# KiCad board Video Board - Signals.kicad_pcb (continued)
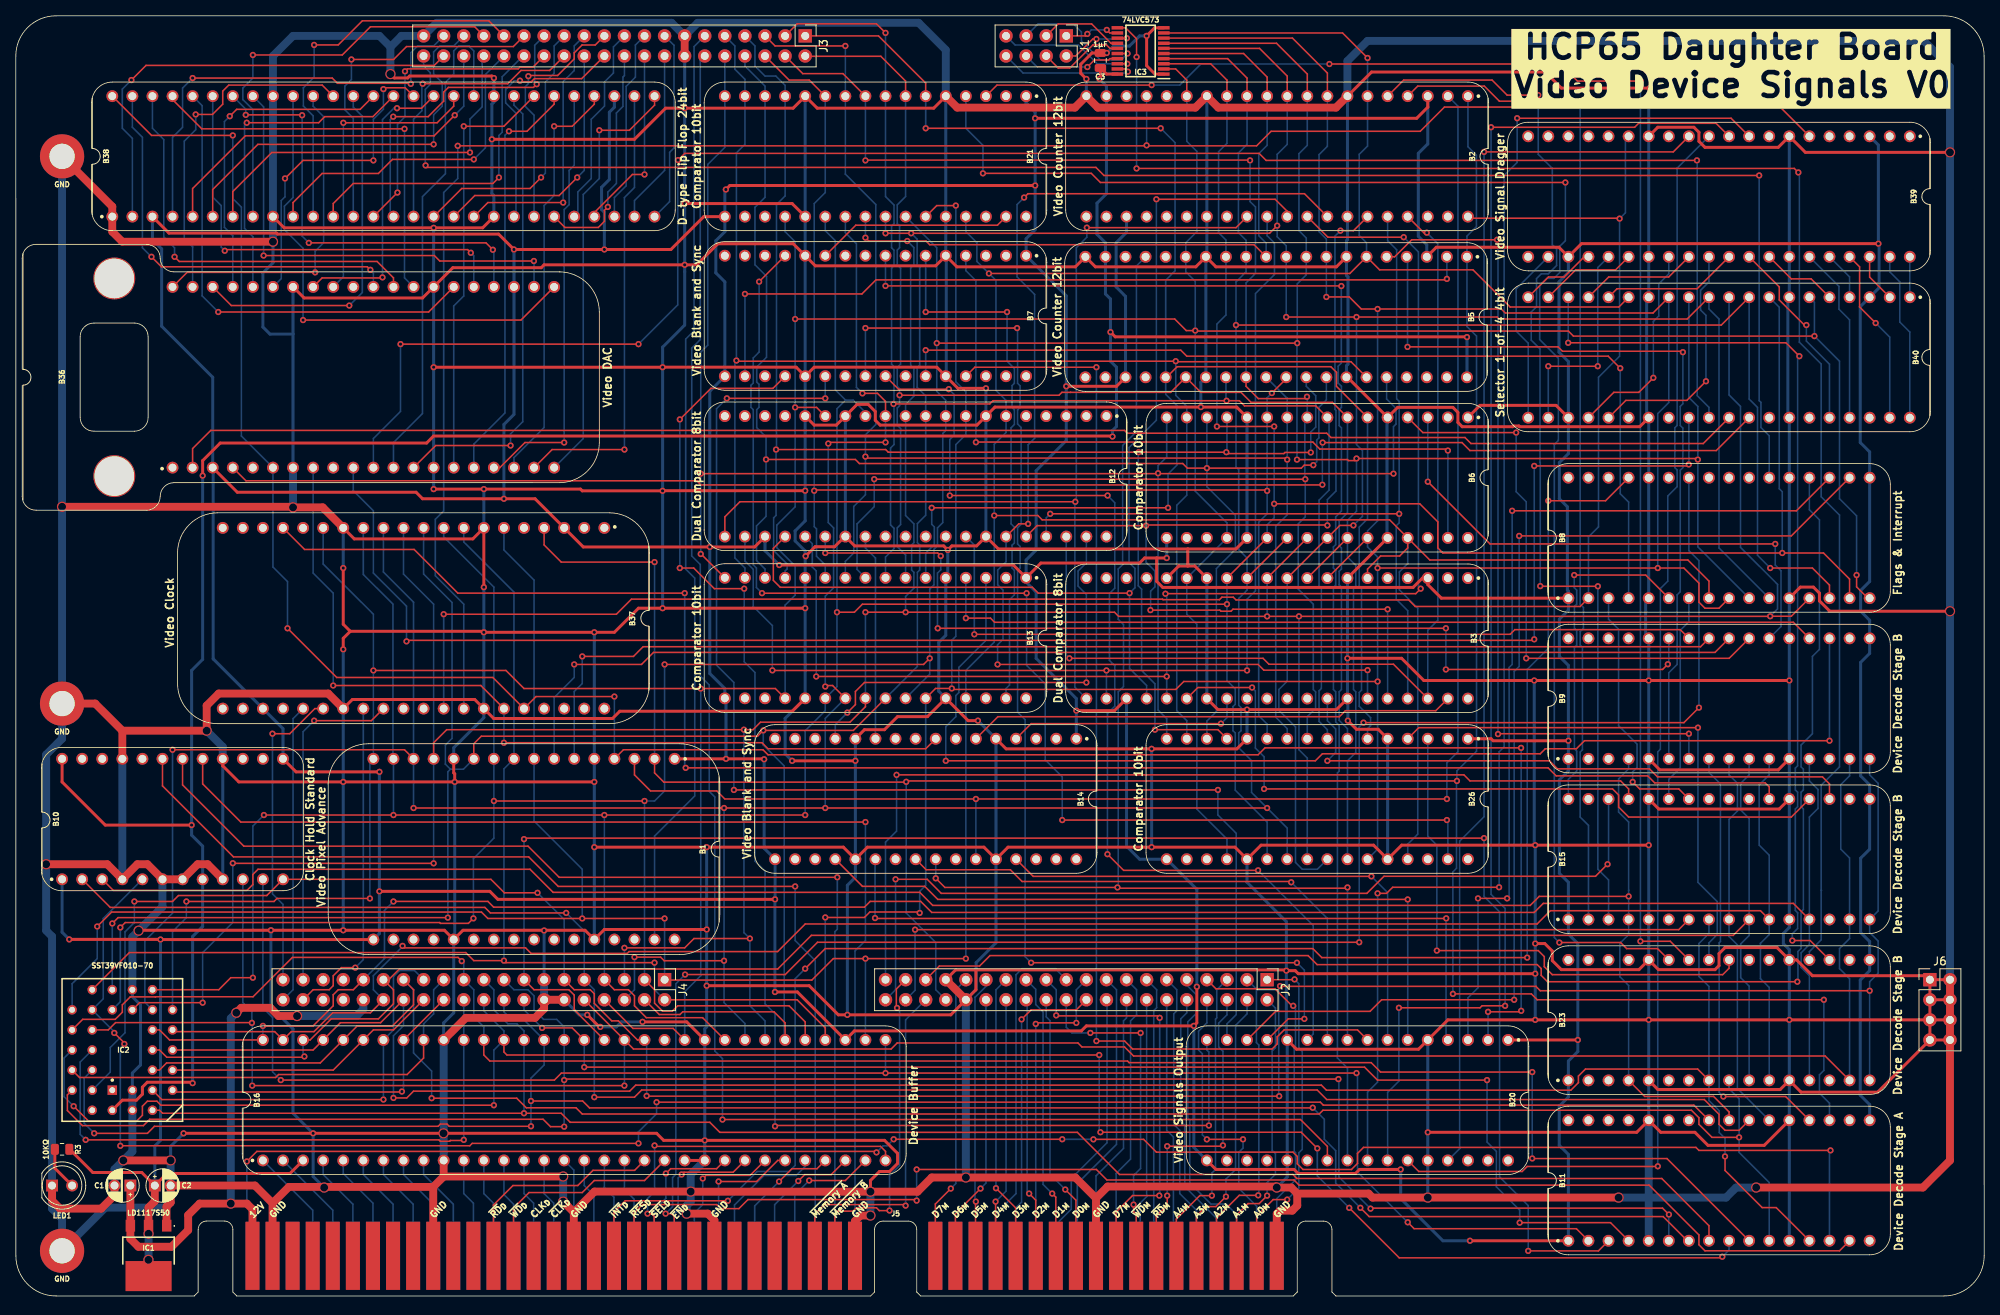
[diagram p0: board, top side]
## Routing (per net, layer and track width the routed paths; a pad name or vN(x,y) marks a point on that pad's centre or on a via; arc(x,y) is an arc through that point) (continued)
/Pixel CLK_{0}: length 293.4
  Top w0.2: v1(34.36,84.46) 40.58,78.23 60.33,78.23 B37.36 65.79,75.82 v1(75.7,75.82) ; v1(190.37,69.33) 157.98,69.33 157.11,68.45 95.13,68.45 94.5,69.09 76.84,69.09 B1.4 ; v1(27.44,146.8) 17.17,146.8 B38.56 ; v1(186.19,35.94) 190.25,35.94 v1(190.38,36.07)
  Bottom w0.2: v1(190.37,69.33) 190.38,69.32 v1(190.38,36.07) ; B1.4 v1(75.7,75.82) ; B20.2 v1(186.19,35.94) ; v1(27.44,146.8) 27.44,138.81 28.53,137.72 28.53,108.77 B36.6 32.52,92.2 34.36,90.36 v1(34.36,84.46)
/Pixel CLK_{1}: length 254.6
  Top w0.2: v1(55.89,145.48) 156.92,145.48 158.76,147.32 177.62,147.32 180.68,150.38 223.13,150.38 B39.6
  Bottom w0.2: v1(55.89,145.48) 55.89,141.35 54.11,139.57 54.11,99.29 53.06,98.24 53.06,91.1 56.65,87.5 B37.33 ; v1(143.01,145.54) B2.17
/Pixel CLK_{2}: length 42.7
  Top w0.2: v1(37.73,72.77) 44.97,72.77 B37.29
  Bottom w0.2: J4.37 36.33,71.37 v1(37.73,72.77)
/Pixel CLK_{3}: length 39.4
  Top w0.2: v1(32.46,71.12) 34.64,71.12 37.82,74.3 B37.26
  Bottom w0.2: v1(32.46,71.12) 32.46,50.86 33.79,49.53 J4.39
/PL0: length 17.9
  Top w0.2: v1(140.64,154.86) 140.29,155.21 IC3.19
  Bottom w0.2: J1.8 127.39,154.69 140.47,154.69 v1(140.64,154.86)
/PL1: length 18.1
  Top w0.2: IC3.18 v1(140.57,155.86)
  Bottom w0.2: J1.7 126.38,158.24 134.38,158.24 136.76,155.86 v1(140.57,155.86)
/PL2: length 12.6
  Top w0.2: IC3.17 138.37,156.51 138.2,156.34 136.41,156.34 v1(135.52,155.45)
  Bottom w0.2: J1.6 129.17,155.45 v1(135.52,155.45)
/PL3: length 17.6
  Top w0.2: IC3.16 v1(140.6,157.16)
  Bottom w0.2: J1.5 129.29,160.91 133.74,160.91 134.77,159.88 134.77,158.74 137.17,156.34 139.78,156.34 v1(140.6,157.16)
/PL4: length 11
  Top w0.2: IC3.15 138.37,157.81 137.94,158.24 136.22,158.24 133.29,155.32 131.83,155.32 J1.4
/PL5: length 10.6
  Top w0.2: J1.3 131.82,160.9 136.06,160.9 138.5,158.46 IC3.14
/PL6: length 9.8
  Top w0.2: v1(140.51,159.09) 140.5,159.11 IC3.13 ; v1(136.66,158.99) 136.2,158.99 134.05,156.85 J1.2
  Bottom w0.2: v1(140.51,159.09) 140.41,158.99 v1(136.66,158.99)
/PL7: length 6.9
  Top w0.2: J1.1 135.26,159.39 v1(135.52,159.64) ; IC3.12 138.36,159.76 v1(137.97,160.14)
  Bottom w0.2: v1(137.97,160.14) 136.02,160.14 v1(135.52,159.64)
/Read Address Bank: length 107.8
  Top w0.2: v1(113.73,46.33) 210.3,46.33 B15.7
  Bottom w0.2: v1(113.73,46.33) 113.73,38.66 J2.38
/Read Address High: length 121.1
  Top w0.2: v1(111.39,65.91) 183.14,65.91 183.9,65.15 202.95,65.15 203.97,64.14 B15.29
  Bottom w0.2: v1(111.39,65.91) 111.39,58.8 109.99,57.4 J2.39
/Read Address Low: length 116.4
  Top w0.2: v1(111.26,52.71) 115.26,52.71 117.04,50.93 170.87,50.93 173.03,53.09 199.78,53.09 v1(201.3,54.61)
  Bottom w0.2: v1(111.26,52.71) 111.26,38.74 J2.40 ; B15.30 201.43,54.74 v1(201.3,54.61)
/Read Flags: length 42.5
  Top w0.2: B8.6 206.13,91.19 v1(197.09,91.19)
  Bottom w0.2: B15.32 196.35,65.35 197.4,66.4 197.4,68.93 197.11,69.22 197.11,82.04 197.4,82.33 197.4,84.17 197.11,84.46 197.11,87.21 197.4,87.5 197.4,89.28 197.09,89.59 v1(197.09,91.19)
/Read Horizontal High: length 127.7
  Top w0.2: B2.4 177.3,153.04 185.72,153.04 187.62,151.13 v1(197.87,151.13)
  Bottom w0.2: v1(197.87,151.13) 197.84,151.1 197.84,87.5 198.25,87.09 198.25,84.46 197.84,84.04 197.84,82.33 198.13,82.04 198.13,69.09 197.84,68.8 197.84,60.58 198.89,59.53 B15.2
/Read Horizontal Low: length 136.1
  Top w0.2: v1(192.79,89.79) 192.82,89.77 v1(200.08,89.77) ; B2.5 175.52,153.8 186.7,153.8 188.6,151.89 v1(192.54,151.89)
  Bottom w0.2: v1(192.79,89.79) 192.79,105.41 192.76,105.45 192.76,119.8 191.65,120.9 191.65,124.46 192.32,125.13 192.32,128.69 192.92,129.29 193.81,129.29 194.86,130.34 194.86,132.43 194.32,132.97 194.32,142.62 192.54,144.4 v1(192.54,151.89) ; v1(200.08,89.77) 200.08,53.98 201.43,52.62 B15.3
/Read Vertical High: length 98.8
  Top w0.2: v1(210.83,119.38) 210.71,119.5 195.6,119.5 195.04,120.05 v1(176.01,120.05)
  Bottom w0.2: 176.01,131.34 v1(176.01,120.05) ; B9.6 209.05,78.83 210.1,79.88 210.1,88.68 210.5,89.08 210.5,104.45 210.83,104.78 210.83,109.78 210.5,110.11 210.5,112.52 210.83,112.85 v1(210.83,119.38)
/Read Vertical Low: length 104.8
  Top w0.2: B5.5 174.38,131.45 176.53,133.59 v1(187.33,133.59) ; v1(211.59,71.12) 187.5,71.12 v1(187.45,71.07)
  Bottom w0.2: v1(187.45,71.07) 187.45,133.48 v1(187.33,133.59) ; v1(211.59,71.12) B9.7
/Red0: length 48.8
  Top w0.2: v1(37.73,158.24) 40.77,158.24 43.82,161.29 59.83,161.29 J3.31
  Bottom w0.2: B38.11 37.6,149.28 36.37,150.51 36.37,152.82 37.73,154.18 v1(37.73,158.24)
/Red1: length 41.6
  Top w0.2: v1(57.92,143.76) 47.63,143.76 45.86,141.99 38.74,141.99 35.06,138.3 B38.10
  Bottom w0.2: v1(57.92,143.76) 59.39,145.24 59.39,154.51 J3.32
/Red2: length 52.7
  Top w0.2: J3.33 58.04,160.54 44.85,160.54 41.28,156.97 v1(29.98,156.97)
  Bottom w0.2: v1(29.98,156.97) 29.98,154.05 28.71,152.78 28.71,151.33 29.98,150.06 B38.8
/Red3: length 47.9
  Top w0.2: B38.7 27.44,139.7 32.38,144.64 v1(57.44,144.64)
  Bottom w0.2: 58.98,156.64 58.98,150.41 57.44,148.87 v1(57.44,144.64)
/Red4: length 50.4
  Top w0.2: v1(52.84,145.67) 30.62,145.67 24.9,139.95 24.9,137.13
  Bottom w0.2: v1(52.84,145.67) 52.84,149.41 53.93,150.5 53.93,153.47 52.84,154.56 52.84,157.35 53.6,158.12 55.38,158.12 J3.35
/Red5: length 48.5
  Top w0.2: B38.5 22.36,140.08 29.02,146.74 52.9,146.74 v1(55.51,149.35)
  Bottom w0.2: v1(55.51,149.35) 56.65,150.5 J3.36
/Red6: length 55.5
  Top w0.2: v1(22.36,154.05) 40.01,154.05 40.67,153.39 49.89,153.39 v1(49.96,153.32)
  Bottom w0.2: J3.37 52.84,158.12 50.81,158.12 49.96,157.26 v1(49.96,153.32) ; B38.4 19.82,146.56 21.09,147.83 21.09,152.78 v1(22.36,154.05)
/Red7: length 59
  Top w0.2: J3.38 52.92,155.65 16.47,155.65 v1(14.61,153.8)
  Bottom w0.2: B38.2 14.74,146.43 13.47,147.7 13.47,152.65 v1(14.61,153.8)
/Row0: length 214.5
  Top w0.2: v1(115.83,99.7) v1(145.72,99.7) ; v1(115.07,147.7) v1(144.79,147.7) ; 145.53,116.21 146.87,117.54 166.32,117.54 167.01,116.84 167.01,115.06 B6.6 ; B21.6 115.07,153.42 109.1,159.39 J3.1
  Bottom w0.2: v1(144.79,147.7) 146.61,145.88 146.61,129.67 145.42,128.48 B5.25 145.42,114.05 146.82,112.65 146.82,105.07 145.72,103.97 v1(145.72,99.7) ; B21.6 v1(115.07,147.7) ; B13.6 115.07,93.96 116.16,95.05 116.16,97.28 115.83,97.61 v1(115.83,99.7) ; B6.6 170.95,98.3 169.9,97.25 169.9,89.82 170.19,89.54 170.19,76.63 169.9,76.34 169.9,74.58 171.33,73.15 171.33,72.14 170.95,71.76 B26.6
/Row1: length 180.5
  Top w0.2: v1(111.77,113.93) 131.93,113.93 132.3,114.3 133.4,114.3 146.06,114.3 B5.26 149.87,114.3 154.95,114.3 156.21,113.04 166.5,113.04 B6.7 ; 99.87,156.81 109.39,156.81 112.53,153.67 B21.7
  Bottom w0.2: B13.7 112.53,93.73 111.47,94.78 111.47,97.16 111.9,97.58 111.9,109.73 111.47,110.15 111.47,112.31 111.77,112.61 v1(111.77,113.93) 111.77,114.77 111.47,115.06 111.47,117.43 111.9,117.86 111.9,130.01 111.47,130.43 111.47,132.29 111.77,132.59 111.77,135.34 111.47,135.64 111.47,138.01 112.53,139.07 B21.7 ; B26.7 168.41,71.76 167.36,72.81 167.36,76.42 167.65,76.71 167.65,89.66 167.36,89.95 167.36,91.66 167.65,91.95 167.65,94.62 167.36,94.9 167.36,98.01 168.41,99.06 B6.7
/Row2: length 185.1
  Top w0.2: J3.3 98.81,160.91 108.85,160.91 v1(109.99,159.77) ; B6.8 164.41,112.59 155.39,112.59 154.74,113.23 v1(153.12,113.23) 123.58,113.23 123.18,112.83 v1(111,112.83)
  Bottom w0.2: 111.06,112.83 111.06,117.54 110.75,117.86 110.75,129.99 111.06,130.3 111.06,132.28 110.75,132.59 110.75,135.32 111.06,135.64 111.06,137.99 109.99,139.07 B21.8 v1(109.99,159.77) ; 111.06,112.83 111.06,107.7 110.62,107.26 110.62,97.54 111.06,97.1 111.06,94.55 109.99,93.47 B13.8 ; 111.06,112.83 v1(111,112.83) ; v1(153.12,113.23) 153.04,113.31 B5.28 ; 166.09,110.91 166.09,101.93 164.82,100.66 164.82,89.82 165.11,89.54 165.11,76.84 164.82,76.55 164.82,72.68 165.87,71.63 B26.8
/Row3: length 219.9
  Top w0.2: J3.4 99.52,154.61 104.6,154.61 B21.9 ; B5.29 155.58,115.06 157.14,113.51 163.06,113.51 v1(163.29,113.74) ; v1(156.09,143.64) 156.05,143.68 107.49,143.68 v1(107.45,143.64) ; v1(163.08,103.31) v1(108.56,103.31)
  Bottom w0.2: B5.29 155.58,128.14 156.78,129.34 156.78,137.74 156.09,138.43 v1(156.09,143.64) ; B26.9 163.33,73.28 164.38,74.33 164.38,76.42 164.09,76.71 164.09,87.5 162.19,89.41 162.19,97.66 163.08,98.55 v1(163.08,103.31) 163.02,103.37 163.02,110.82 ; v1(108.56,103.31) 108.56,99.84 106.39,97.66 106.39,91.9 B13.9 ; B6.9 163.33,113.7 v1(163.29,113.74) ; B21.9 v1(107.45,143.64)
/Row4: length 182.7
  Top w0.2: v1(107.45,106.17) 107.64,105.98 160.6,105.98 v1(160.79,105.79) ; J3.5 96.02,158.12 v1(104.91,158.12)
  Bottom w0.2: B13.10 104.91,92.92 105.97,93.98 105.97,99.87 107.45,101.35 v1(107.45,106.17) 107.45,108.92 108.76,110.24 108.76,138.05 104.91,141.9 B21.10 v1(104.91,158.11) ; B5.30 160.79,113.54 B6.10 v1(160.79,105.79) 160.79,98.81 159.34,97.35 159.34,73.21 160.79,71.76 B26.10
/Row5: length 176.6
  Top w0.2: v1(100.97,101.85) 101.07,101.95 158.14,101.95 v1(158.25,101.84) ; J3.6 97.8,153.8 100.34,153.8 B21.11 ; 160.66,116.02 v1(158.85,114.21)
  Bottom w0.2: B21.11 102.37,139.57 100.97,138.18 v1(100.97,101.85) 100.97,97.31 101.26,97.03 101.26,93.57 102.37,92.46 B13.11 ; v1(158.85,114.21) 158.25,113.61 B6.11 v1(158.25,101.84) 158.25,98.93 157.18,97.87 157.18,73.41 158.25,72.34 B26.11
/Row6: length 201
  Top w0.2: B26.13 152.03,71.63 v1(144.06,71.63) ; v1(96.15,107.06) 110,107.06 110.33,106.73 v1(141.99,106.73) v1(153.09,106.73) 153.27,106.55 160.36,106.55 160.51,106.7 v1(163.77,106.7)
  Bottom w0.2: v1(163.77,106.7) 163.77,109.28 164.4,109.9 164.4,113.87 163.2,115.06 B5.32 ; B6.13 153.17,106.81 v1(153.09,106.73) ; v1(144.06,71.63) 144.06,77.44 142.38,79.12 142.38,89.41 141.95,89.83 141.95,106.69 v1(141.99,106.73) ; J3.7 93.48,158.12 93.48,155.58 94.75,154.31 96.12,154.31 97.29,153.14 B21.13 97.29,139.14 96.2,138.05 96.2,107.11 v1(96.15,107.06) 96.15,98.73 95.84,98.43 95.84,94.29 97.54,92.58 97.54,91.95 97.29,91.69 B13.13
/Row7: length 195.6
  Top w0.2: v1(94.88,105.81) 106.18,105.81 106.69,105.3 147.58,105.3 148.16,104.71 v1(150.63,104.71) 150.63,104.71 162.57,104.71 162.95,105.09 v1(164.09,105.09)
  Bottom w0.2: B13.14 94.75,91.95 93.68,93.02 93.68,97.41 94.88,98.61 v1(94.88,105.81) 94.88,108.65 93.7,109.83 93.7,112.11 93.99,112.4 93.99,115.32 93.7,115.61 93.7,117.5 94.94,118.74 94.94,128.97 93.48,130.43 93.48,137.7 94.75,138.97 B21.14 94.75,153.04 92.21,155.58 J3.8 ; B5.33 165.74,113.34 164.8,112.4 164.8,108.53 164.52,108.25 164.52,105.52 v1(164.09,105.09) ; B26.14 150.63,72.73 151.83,73.93 151.83,92.01 154.24,94.41 154.24,98.76 150.63,102.36 v1(150.63,104.71) B6.14
/Row8: length 200.6
  Top w0.2: B5.35 168.86,118.17 146.76,118.17 v1(146.69,118.24) 91.22,118.24 v1(91.13,118.32)
  Bottom w0.2: B13.15 92.21,92.08 90.94,93.35 90.94,118.13 v1(91.13,118.32) 91.13,144.59 92.21,145.67 B21.15 92.21,153.9 90.94,155.17 90.94,158.12 J3.9 ; B26.15 148.09,72.77 146.82,74.04 146.82,100.01 148.09,101.28 B6.15 148.09,112.52 146.69,113.92 v1(146.69,118.24)
/Row9: length 210.6
  Top w0.2: B13.16 86.66,93.85 v1(86.62,93.85) ; v1(174.23,104.01) 144.51,104.01 v1(144.46,104.06) 144.41,104.01 v1(86.62,104.01)
  Bottom w0.2: v1(174.23,104.01) 174.23,109.96 174.55,110.28 174.55,112.27 173.36,113.46 B5.36 ; B26.16 145.55,73.03 144.46,74.11 v1(144.46,104.06) 144.46,105.03 145.55,106.12 B6.16 ; J3.10 B21.16 89.67,145.29 87.51,143.13 87.51,120.27 86.62,119.38 v1(86.62,104.01) v1(86.62,93.85)
/Vertical Blank: length 139
  Top w0.2: B20.8 169.68,33.66 160.4,33.66 159.52,32.77 159.52,31.88 158.88,31.24 141.23,31.24 140.23,32.25 v1(136.66,32.25) ; v1(136.66,117.48) 121.28,117.48 B7.29
  Bottom w0.2: v1(136.66,32.25) v1(136.66,117.48)
/Vertical Blank _{FINAL}: length 215
  Top w0.2: v1(192.03,83.06) 191.91,82.93 49.54,82.93 v1(49.41,82.8) ; v1(192.03,104.99) 211.39,104.99 v1(211.58,105.18)
  Bottom w0.2: v1(192.03,83.06) v1(192.03,104.99) ; B40.29 211.59,105.19 v1(211.58,105.18) ; B36.10 42.68,101.85 45.22,99.31 45.22,91.44 49.41,87.25 v1(49.41,82.8)
/Vertical Blank C3: length 6.2
  Bottom w0.2: B40.4 231.91,128.91 B39.36
/Vertical Blank C4: length 12.3
  Top w0.2: B39.26 202.32,129.79 197.27,129.79 193.81,126.33
/Vertical Blank HC: length 178.5
  Top w0.2: v1(172.22,50.93) 173.36,50.93 174.12,51.7 v1(187.59,51.7) ; B39.9 216.92,148.97 v1(189.87,148.97)
  Bottom w0.2: v1(172.22,50.93) 172.22,27.05 170.95,25.78 B20.25 ; v1(189.87,148.97) 189.87,143.38 188.22,141.73 188.22,69.47 187.59,68.83 v1(187.59,51.7)
/Vertical Blank HC3: length 5.1
  Bottom w0.2: B39.40 B40.1
/Vertical Blank HC4: length 17.4
  Top w0.2: B39.31 212.62,127.4 202.5,127.4 B40.16
/Vertical Sync: length 160.5
  Top w0.2: v1(90.81,64.01) v1(152.03,64.01) ; v1(102.37,113.54) v1(89.92,113.54)
  Bottom w0.2: B20.15 153.17,34.42 154.34,35.59 154.34,58.52 152.03,60.83 v1(152.03,64.01) ; v1(89.92,113.54) 88.62,112.23 88.62,79.79 90.81,77.6 v1(90.81,64.01) ; v1(102.37,113.54) B7.22
/Vertical Sync _{FINAL}: length 235.2
  Top w0.2: v1(48.65,120.4) v1(78.75,120.4) ; v1(83.75,143.68) 84.6,144.53 157.23,144.53 158.12,143.64 v1(212.61,143.64)
  Bottom w0.2: v1(48.65,120.4) 48.65,111.89 45.22,108.46 B36.11 ; v1(78.75,120.4) 83.71,125.36 83.71,143.64 v1(83.75,143.68) ; v1(212.61,143.64) 212.64,143.6 212.64,113.88 214.13,112.4 B40.30
/Vertical Sync C3: length 22.5
  Bottom w0.2: B40.37 231.91,123.47 230.57,124.81 230.57,127.71 B39.35
/Vertical Sync C4: length 27.2
  Top w0.2: v1(200.06,117.6) v1(193.81,117.6)
  Bottom w0.2: v1(200.06,117.6) 200.06,130.08 B39.25 ; B40.22 v1(193.81,117.6)
/Vertical Sync HC: length 176.3
  Top w0.2: v1(188.35,36.7) 185.43,36.7 185.17,36.45 v1(174.92,36.45) ; B39.10 215.02,148.34 205.24,148.34 204.73,147.83 v1(186.57,147.83)
  Bottom w0.2: v1(174.92,36.45) 174.92,27.18 173.49,25.75 B20.26 ; v1(188.35,36.7) 188.35,49.02 186.57,50.8 v1(186.57,147.83)
/Vertical Sync HC3: length 21.4
  Bottom w0.2: B40.40 239.53,121.92 238.26,123.19 238.26,128.27 236.99,129.54 B39.39
/Vertical Sync HC4: length 30.7
  Top w0.2: v1(213.75,115.7) 211.34,113.28 203.62,113.28 B40.25
  Bottom w0.2: v1(213.75,115.7) 213.75,124.03 213.07,124.71 213.07,127.21 214.13,128.27 B39.30
/Vertical Sync Polarity: length 139.7
  Top w0.2: v1(189.49,37.47) 172.73,37.47 171.27,36 159.33,36 B20.14 ; B8.18 224.54,96.14 v1(190.13,96.14)
  Bottom w0.2: v1(189.49,37.47) 189.49,78.99 190.13,79.63 v1(190.13,96.14)
/Write Clear Interrupt: length 33
  Top w0.2: v1(204.48,65.02) 205.37,64.14 210.32,64.14 B15.26
  Bottom w0.2: B8.3 201.43,85.6 202.7,84.33 202.7,72.14 205.03,69.81 205.03,66.85 204.48,66.29 v1(204.48,65.02)
/Write Clock Select: length 215.9
  Top w0.2: v1(84.72,66.8) 193.79,66.8 194.8,65.79 206.38,65.79 207.27,64.9 221.24,64.9 221.75,64.39 B15.22 ; v1(84.59,88.9) 55.9,88.9 50.38,94.42 36.52,94.42 B37.17
  Bottom w0.2: v1(84.59,88.9) 84.59,66.93 v1(84.72,66.8)
/Write Flags: length 26.5
  Bottom w0.2: B8.7 211.59,85.29 210.5,84.2 210.5,66.8 209.05,65.35 B15.27
/Write Horizontal Back Porch End: length 103.9
  Top w0.2: v1(121.22,83.69) 188.98,83.69 189.57,84.28 210.49,84.28 B9.26
  Bottom w0.2: B12.33 121.22,94.98 v1(121.22,83.69)
/Write Horizontal Back Porch Start: length 127.3
  Top w0.2: v1(102.37,93.98) 116.59,93.98 v1(116.98,93.6) ; v1(208.92,79.91) 208.26,79.25 v1(180.86,79.25) ; v1(180.86,84.46) v1(116.59,84.46)
  Bottom w0.2: v1(208.92,79.91) 209.05,80.03 B9.27 ; v1(116.59,84.46) 116.56,84.49 116.56,91.44 116.98,91.86 v1(116.98,93.6) ; B12.26 v1(102.37,93.98) ; v1(180.86,79.25) v1(180.86,84.46)
/Write Horizontal Front Porch Start: length 94.6
  Top w0.2: B15.20 224.54,60.58 203.97,60.58 202.7,61.85 202.7,63.37 201.94,64.14 v1(157.87,64.14) ; v1(156.34,76.96) 149.49,76.96 B3.26
  Bottom w0.2: v1(156.34,76.96) 156.76,76.55 156.76,69.31 157.87,68.2 v1(157.87,64.14)
/Write Horizontal Shift Pattern High: length 160.4
  Top w0.2: v1(70.62,79.88) 79.13,79.88 80.65,81.41 214.89,81.41 B9.24
  Bottom w0.2: v1(70.62,79.88) 70.62,78.23 68.08,75.69 B1.7
/Write Horizontal Shift Pattern Low: length 156.8
  Top w0.2: B9.25 213.06,82.12 79.33,82.12 78.11,80.9 v1(71.64,80.9)
  Bottom w0.2: B1.6 70.62,76.45 71.64,77.47 v1(71.64,80.9)
/Write Horiztonal Sync Start: length 75.4
  Top w0.2: B15.19 229.37,64.77 228.48,65.66 207.62,65.66 206.61,66.68 194.97,66.68 193.95,67.69 v1(165.87,67.69)
  Bottom w0.2: B3.33 165.87,72.77 166.92,71.72 166.92,68.74 v1(165.87,67.69)
/Write Palette Byte: length 206.7
  Top w0.2: v1(141.74,156.72) 141.74,159.02 140.35,160.41 IC3.11 ; v1(225.43,142.11) 224.92,142.62 v1(141.74,142.62)
  Bottom w0.2: B23.20 226.83,43.56 228.32,45.05 228.32,51.27 228.35,51.31 228.32,51.34 228.32,64.61 230.64,66.93 230.64,98.77 228.32,101.09 228.32,117.89 225.56,120.65 225.56,141.99 v1(225.43,142.11) ; v1(141.74,156.72) v1(141.74,142.62)
/Write Vertical Back Porch End High: length 67.6
  Top w0.2: v1(179.71,43.69) 192.54,43.69 193.3,42.93 193.3,41.66 194.32,40.64 215.86,40.64 216.67,41.45 B23.24
  Bottom w0.2: v1(179.71,43.69) 179.71,57.02 178.57,58.17 B26.3
/Write Vertical Back Porch End Low: length 68.1
  Top w0.2: B26.4 177.43,71.88 v1(212.73,71.88)
  Bottom w0.2: v1(212.73,71.88) 212.73,52.32 215.18,49.88 215.18,45.72 214.13,44.67 B23.25
/Write Vertical Back Porch Start High: length 201.3
  Top w0.2: v1(166.12,155.83) 195.33,155.83 197.49,153.67 v1(205.49,153.67) ; v1(205.46,44.86) 209.24,44.86 B23.26 ; B21.3 124.09,153.16 v1(143.65,153.16)
  Bottom w0.2: v1(205.46,44.86) 205.46,153.64 v1(205.49,153.67) ; v1(166.12,155.83) 149.87,155.83 147.2,153.16 v1(143.65,153.16)
/Write Vertical Back Porch Start Low: length 199
  Top w0.2: v1(122.31,142) 136.01,142 137.17,140.84 v1(195.97,140.84) ; v1(195.21,44.7) 202.95,44.7 203.72,43.94 207.62,43.94 B23.27
  Bottom w0.2: v1(122.31,142) 122.31,145.54 120.15,147.7 B21.4 ; v1(195.21,44.7) 194.57,45.34 194.57,107.7 195.08,108.2 195.08,118.62 192.72,120.98 192.72,127.82 193.62,128.71 194.51,128.71 195.26,129.47 195.26,132.77 195.97,133.48 v1(195.97,140.84)
/Write Vertical Front Porch Start High: length 68.2
  Top w0.2: v1(178.57,103) 186.44,95.12 v1(222.51,95.12)
  Bottom w0.2: B9.22 223.24,84.68 223.24,91.73 222.51,92.46 v1(222.51,95.12) ; B6.3 v1(178.57,103)
/Write Vertical Front Porch Start Low: length 72.8
  Top w0.2: B9.23 216.68,80.66 v1(191.02,80.66) ; B6.4 177.95,109.21 v1(189.75,109.21)
  Bottom w0.2: v1(189.75,109.21) 189.75,101.73 191.02,100.46 v1(191.02,80.66)
/Write Vertical Sync Start High: length 151
  Top w0.2: v1(229.37,70.23) 198.38,70.23 197.37,69.22 193.43,69.22 192.79,68.58 165.23,68.58 164.35,67.69 v1(117.61,67.69)
  Bottom w0.2: B9.19 v1(229.37,70.23) ; v1(117.61,67.69) 117.61,72.01 118.88,73.28 118.88,75.95 119.26,76.33 119.26,79.5 122.69,82.93 B13.3
/Write Vertical Sync Start Low: length 112.8
  Top w0.2: B9.20 224.8,85.21 123.79,85.21 123.26,85.74 v1(120.15,85.74)
  Bottom w0.2: B13.4 v1(120.15,85.74)
/Write Video Signal Delay: length 116.1
  Top w0.2: v1(224.67,44.96) 226.92,44.96 B23.19 ; v1(196.33,120.57) 223.87,120.57 v1(225.56,118.87)
  Bottom w0.2: v1(224.67,44.96) 224.67,45.81 225.34,46.48 225.34,48.48 225.05,48.77 225.05,61.6 225.34,61.88 225.34,63.72 225.05,64.01 225.05,66.77 225.34,67.06 225.34,118.65 v1(225.56,118.87) ; 196.33,126.31 v1(196.33,120.57)
/~{A3}: length 55.7
  Top w0.2: v1(215.95,25.23) 223.83,25.23 B11.20
  Bottom w0.2: v1(215.95,25.23) 215.42,25.76 215.42,44.67 215.58,44.83 215.58,64.77 214.13,66.22 B9.8
/~{A4}: length 48.7
  Bottom w0.2: B11.22 217.72,26.25 217.72,44.41 216.67,45.47 B15.9 216.67,60.28 217.73,61.34 217.73,64.85 216.67,65.91 B9.9
/~{Device RAM}: length 237.6
  Top w0.2: v1(73.16,25.15) 78.24,25.15 79.15,26.05 164.58,26.05 165.79,24.84 213.54,24.84 215.4,22.99 215.4,21.72 216.16,20.96 217.94,20.96 B11.23 ; v1(69.6,48.45) 60.01,48.45 59.32,49.15 11.95,49.15 B10.2
  Bottom w0.2: v1(73.16,25.15) 73.16,38.74 J4.9 71.89,46.17 v1(69.6,48.45)
/~{Device Registers}: length 255.9
  Top w0.2: B10.3 12.33,51.31 29.24,51.31 29.98,52.05 29.98,53.32 30.63,53.98 65.03,53.98 67.95,51.05 114.31,51.05 115.96,49.4 191.52,49.4 192.67,50.55 v1(203.97,50.55) ; B23.4 206,25.24 214.71,25.24 216.67,23.29 B11.24
  Bottom w0.2: B9.4 203.97,66.68 202.7,65.41 202.7,61.21 203.97,59.94 203.97,51.31 v1(203.97,50.55) B15.4 203.97,45.72 202.86,44.61 202.86,40.39 203.97,39.27 B23.4
/~{Device ROM}: length 244.1
  Top w0.2: v1(78.75,19.3) 57.72,19.3 57.41,19 v1(13.22,19) ; v1(13.72,31.88) 13.72,32 v1(12.45,33.27) ; B11.25 212.21,24.14 165.35,24.14 164.98,24.51 81.04,24.51 v1(81.03,24.51)
  Bottom w0.2: v1(12.45,33.27) 12.45,33.4 IC2.22 11.06,37.59 11.06,47.75 B10.5 ; v1(78.75,19.3) 78.75,20.76 81.03,23.05 v1(81.03,24.51) ; v1(13.22,19) 13.22,31.37 v1(13.72,31.88)
/~{Device Select}: length 212.3
  Top w0.2: v1(169.55,28.19) v1(109.99,28.19) 69,28.19 68.11,27.31 v1(33.51,27.31) ; v1(176.03,9.32) 176.84,8.51 197.37,8.51 B11.2
  Bottom w0.2: v1(176.03,9.32) 169.68,15.67 169.68,28.07 v1(169.55,28.19) ; v1(109.99,28.19) B16.33 ; v1(33.51,27.31) 32.47,28.35 32.47,35.23 31.25,36.45 B10.11
/~{Horizontal Back Porch End} _{CMP}: length 56
  Top w0.2: v1(135.39,77.6) 107.32,77.6 106.18,76.45 106.18,74.8 v1(105.16,73.79)
  Bottom w0.2: v1(105.16,73.79) 103.64,72.26 B14.13 ; v1(135.39,77.6) 135.39,88.74 134.34,89.79 134.34,91.69 135.39,92.74 B12.39
/~{Horizontal Back Porch Start} _{CMP}: length 26.1
  Bottom w0.2: B14.11 108.72,93.35 107.45,94.62 B12.28
/~{Horizontal Blank}: length 203.7
  Top w0.2: B1.3 78.24,65.91 80.27,63.88 88.65,63.88 89.67,62.87 v1(121.42,62.87) v1(180.98,62.87)
  Bottom w0.2: B14.27 v1(121.42,62.87) ; B2.2 182.38,150.5 182.38,68.83 180.98,67.44 v1(180.98,62.87)
/~{Horizontal Front Porch Start} _{CMP}: length 30.2
  Top w0.2: v1(152.41,72.39) 128.41,72.39 B14.4
  Bottom w0.2: v1(152.41,72.39) 153.17,73.15 B3.28
/~{Horizontal Sync Start} _{CMP}: length 61.8
  Top w0.2: B14.6 124.2,73.27 167.38,73.27 168.15,74.03 179.57,74.03 B3.39
/~{Horizontal Sync}: length 92.3
  Top w0.2: B14.20 107.07,51.82 114.94,51.82 116.59,50.17 175.9,50.17 175.92,50.15 v1(176.03,50.15)
  Bottom w0.2: v1(176.03,50.15) B20.6
/~{Pixel CLK}_{0}: length 110.8
  Top w0.2: v1(40.14,77.22) 58.81,77.22 B37.35 ; v1(61.73,69.98) 94.37,69.98 95.13,69.22 115.07,69.22 B14.8
  Bottom w0.2: B36.8 37.6,91.44 40.14,88.9 v1(40.14,77.22) ; 61.73,73.9 v1(61.73,69.98)
/~{Pixel CLK}_{1}: length 237.1
  Top w0.2: 183.85,136.32 202.77,136.32 v1(202.83,136.27) ; B8.2 197.84,87.21 176.98,87.21 176.15,88.04 154.31,88.04 153.96,88.39 152.53,88.39 152.22,88.07 145.08,88.07 145.01,88.14 77.86,88.14 75.95,86.23 v1(54.11,86.23)
  Bottom w0.2: B37.32 v1(54.11,86.23) ; 203.56,146.28 203.56,137.01 v1(202.83,136.27) 202.83,118.87 200.16,116.21 200.16,97.28 198.89,96.01 198.89,88.71
/~{Pixel CLK}_{2}: length 42.2
  Top w0.2: J4.38 37.6,38.74 39.63,38.74 40.14,39.24 40.14,40.5 41.17,41.53 v1(42.93,41.53)
  Bottom w0.2: v1(42.93,41.53) 43.95,42.54 B37.28
/~{Pixel CLK}_{3}: length 37.9
  Bottom w0.2: B37.25 35.06,73.03 35.06,38.74 J4.40
/~{RD}: length 307.5
  Top w0.2: J4.10 B16.46 78.11,31.24 110.7,31.24 111.46,32 134.32,32 134.83,31.5 140.22,31.5 141.36,30.35 228.83,30.35 B23.15 ; v1(29.9,26.61) v1(76.96,26.61) ; v1(29.85,34.54) 29.82,34.57 12.61,34.57 11.69,33.66 IC2.24
  Bottom w0.2: B23.15 231.91,40.13 230.64,41.4 230.64,43.94 231.91,45.21 B15.15 231.91,55.4 230.8,56.52 230.8,64.67 231.91,65.79 B9.15 ; B10.10 28.71,37.1 29.85,35.96 v1(29.85,34.54) 29.9,34.5 v1(29.9,26.61) ; v1(76.96,26.61) 76.97,26.61 B16.46
/~{Reset}: length 354.8
  Top w0.2: v1(228.66,37.47) 192.41,37.47 191.67,38.21 181.75,38.21 v1(181.74,38.22) ; B1.2 80.78,66.17 81.95,65 112.57,65 v1(112.61,65.04) 112.72,65.15 v1(182.25,65.15) ; B37.4 66.81,95 68.98,92.83 v1(80.78,92.83)
  Bottom w0.2: J2.34 116.34,38.74 116.34,44.71 112.61,48.44 v1(112.61,65.04) ; B1.2 v1(80.78,92.83) ; B11.19 229.37,24.38 228.1,25.65 228.1,27.97 228.66,28.53 v1(228.66,37.47) ; v1(181.74,38.22) 181.74,53.65 182.2,54.1 182.2,65.09 v1(182.25,65.15) 182.25,66.42 184.73,68.9 184.73,121.41 183.52,122.62 B5.1 183.52,134.06 184.72,135.26 184.72,144.29 183.65,145.36 B2.1
/~{Vertical Back Porch End}: length 102.8
  Top w0.2: v1(92.21,126.75) 107.01,126.75 108.78,128.52 180.86,128.52 v1(180.98,128.65)
  Bottom w0.2: B5.2 v1(180.98,128.65) ; B7.18 v1(92.21,126.75)
/~{Vertical Back Porch End} _{CMP}: length 162.7
  Top w0.2: v1(94.37,88.9) 94.38,88.89 v1(127.83,88.89) ; v1(94,128.3) B7.13 ; v1(180.98,60.2) v1(132.34,60.2)
  Bottom w0.2: v1(132.34,60.2) 132.34,65.66 130.18,67.82 130.18,77.41 127.83,79.76 v1(127.83,88.89) ; v1(94,128.3) 94,119.4 93.26,118.65 93.26,115.48 92.97,115.19 92.97,112.4 93.26,112.11 93.26,92.48 93.66,92.08 93.66,89.61 v1(94.37,88.9) ; B26.31 181.11,60.07 v1(180.98,60.2)
/~{Vertical Back Porch Start} _{CMP}: length 24.9
  Top w0.2: B21.31 124.15,135.44 106.23,135.44 B7.11
/~{Vertical Blank}: length 121.6
  Top w0.2: v1(202.91,117.35) 201.38,118.87 148.09,118.87 147.33,119.63 v1(115.07,119.63)
  Bottom w0.2: B7.27 v1(115.07,119.63) ; v1(202.91,117.35) 202.91,101.47 203.97,100.41 B8.4
/~{Vertical Front Porch Start} _{CMP}: length 95.3
  Top w0.2: v1(181.11,106.93) 180.92,107.12 164.92,107.12 164.03,108.01 121.44,108.01 v1(121.42,107.98)
  Bottom w0.2: B7.4 120.15,129.69 121.42,128.42 v1(121.42,107.98) ; B6.31 v1(181.11,106.93)
